# KiCad board EOutside.kicad_pcb (continued)
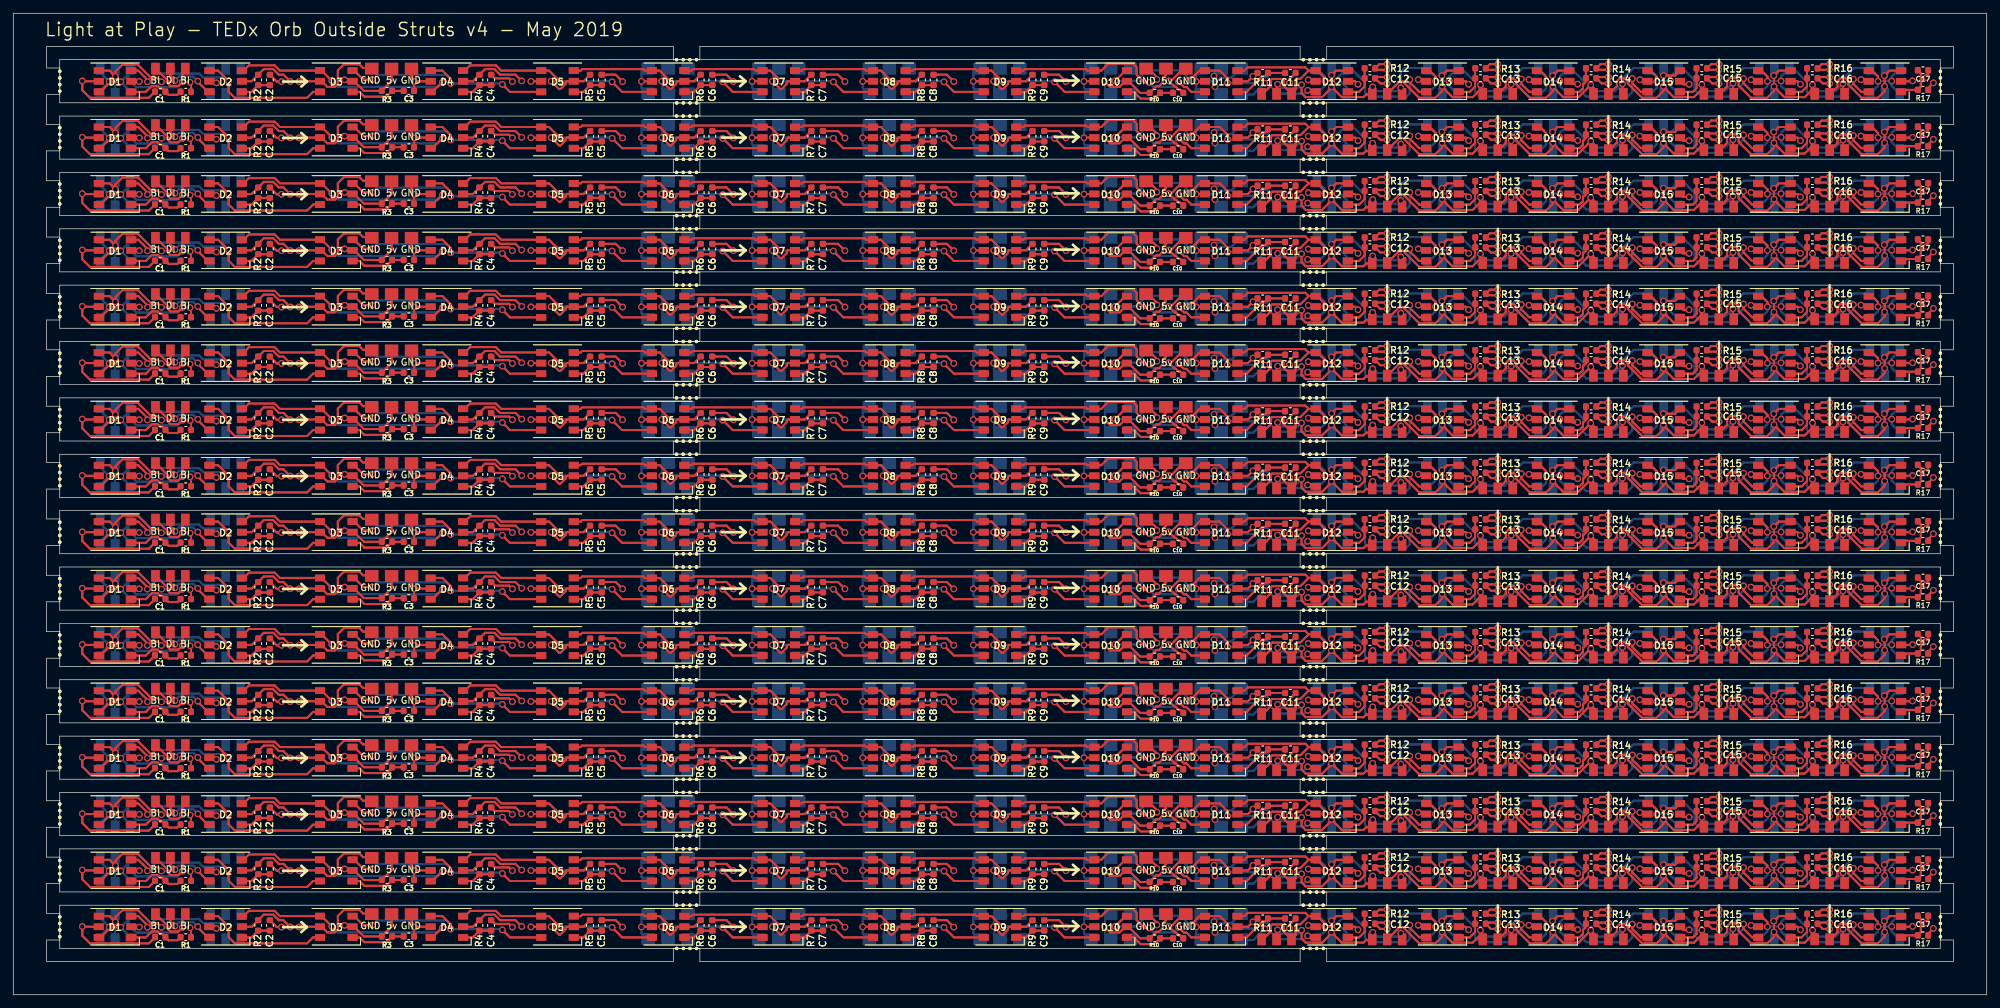
[diagram p0: board, top side]
## Placement (name value [footprint] x y rotation side) (continued)
J11#16  DAT_BRIDGE  [TEDX_DAT_BRIDGE]  240.33 100.5 180 top
J11#17  DAT_BRIDGE  [TEDX_DAT_BRIDGE]  240.33 58 180 top
J11#18  DAT_BRIDGE  [TEDX_DAT_BRIDGE]  240.33 49.5 180 top
J11#19  DAT_BRIDGE  [TEDX_DAT_BRIDGE]  240.33 58 180 top
J11#20  DAT_BRIDGE  [TEDX_DAT_BRIDGE]  240.33 49.5 180 top
J11#21  DAT_BRIDGE  [TEDX_DAT_BRIDGE]  240.33 66.5 180 top
J11#22  DAT_BRIDGE  [TEDX_DAT_BRIDGE]  240.33 41 180 top
J11#23  DAT_BRIDGE  [TEDX_DAT_BRIDGE]  240.33 41 180 top
J11#24  DAT_BRIDGE  [TEDX_DAT_BRIDGE]  240.33 66.5 180 top
J11#25  DAT_BRIDGE  [TEDX_DAT_BRIDGE]  240.33 7 180 top
J11#26  DAT_BRIDGE  [TEDX_DAT_BRIDGE]  240.33 24 180 top
J11#27  DAT_BRIDGE  [TEDX_DAT_BRIDGE]  240.33 15.5 180 top
J11#28  DAT_BRIDGE  [TEDX_DAT_BRIDGE]  240.33 24 180 top
J11#29  DAT_BRIDGE  [TEDX_DAT_BRIDGE]  240.33 15.5 180 top
J11#30  DAT_BRIDGE  [TEDX_DAT_BRIDGE]  240.33 32.5 180 top
J11#31  DAT_BRIDGE  [TEDX_DAT_BRIDGE]  240.33 7 180 top
J11#32  DAT_BRIDGE  [TEDX_DAT_BRIDGE]  240.33 32.5 180 top
J11#33  DAT_BRIDGE  [TEDX_DAT_BRIDGE]  248.67 141 180 bottom
J11#34  DAT_BRIDGE  [TEDX_DAT_BRIDGE]  248.67 134.5 0 bottom
J11#35  DAT_BRIDGE  [TEDX_DAT_BRIDGE]  248.67 126 0 bottom
J11#36  DAT_BRIDGE  [TEDX_DAT_BRIDGE]  248.67 132.5 180 bottom
J11#37  DAT_BRIDGE  [TEDX_DAT_BRIDGE]  248.67 117.5 0 bottom
J11#38  DAT_BRIDGE  [TEDX_DAT_BRIDGE]  248.67 124 180 bottom
J11#39  DAT_BRIDGE  [TEDX_DAT_BRIDGE]  248.67 115.5 180 bottom
J11#40  DAT_BRIDGE  [TEDX_DAT_BRIDGE]  248.67 109 0 bottom
J11#41  DAT_BRIDGE  [TEDX_DAT_BRIDGE]  248.67 117.5 0 bottom
J11#42  DAT_BRIDGE  [TEDX_DAT_BRIDGE]  248.67 124 180 bottom
J11#43  DAT_BRIDGE  [TEDX_DAT_BRIDGE]  248.67 115.5 180 bottom
J11#44  DAT_BRIDGE  [TEDX_DAT_BRIDGE]  248.67 109 0 bottom
J11#45  DAT_BRIDGE  [TEDX_DAT_BRIDGE]  248.67 134.5 0 bottom
J11#46  DAT_BRIDGE  [TEDX_DAT_BRIDGE]  248.67 141 180 bottom
J11#47  DAT_BRIDGE  [TEDX_DAT_BRIDGE]  248.67 132.5 180 bottom
J11#48  DAT_BRIDGE  [TEDX_DAT_BRIDGE]  248.67 126 0 bottom
J11#49  DAT_BRIDGE  [TEDX_DAT_BRIDGE]  248.67 83.5 0 bottom
J11#50  DAT_BRIDGE  [TEDX_DAT_BRIDGE]  248.67 90 180 bottom
J11#51  DAT_BRIDGE  [TEDX_DAT_BRIDGE]  248.67 81.5 180 bottom
J11#52  DAT_BRIDGE  [TEDX_DAT_BRIDGE]  248.67 75 0 bottom
J11#53  DAT_BRIDGE  [TEDX_DAT_BRIDGE]  248.67 100.5 0 bottom
J11#54  DAT_BRIDGE  [TEDX_DAT_BRIDGE]  248.67 107 180 bottom
J11#55  DAT_BRIDGE  [TEDX_DAT_BRIDGE]  248.67 98.5 180 bottom
J11#56  DAT_BRIDGE  [TEDX_DAT_BRIDGE]  248.67 100.5 0 bottom
J11#57  DAT_BRIDGE  [TEDX_DAT_BRIDGE]  248.67 98.5 180 bottom
J11#58  DAT_BRIDGE  [TEDX_DAT_BRIDGE]  248.67 92 0 bottom
J11#59  DAT_BRIDGE  [TEDX_DAT_BRIDGE]  248.67 92 0 bottom
J11#60  DAT_BRIDGE  [TEDX_DAT_BRIDGE]  248.67 107 180 bottom
J11#61  DAT_BRIDGE  [TEDX_DAT_BRIDGE]  248.67 81.5 180 bottom
J11#62  DAT_BRIDGE  [TEDX_DAT_BRIDGE]  248.67 75 0 bottom
J11#63  DAT_BRIDGE  [TEDX_DAT_BRIDGE]  248.67 90 180 bottom
J11#64  DAT_BRIDGE  [TEDX_DAT_BRIDGE]  248.67 83.5 0 bottom
J11#65  DAT_BRIDGE  [TEDX_DAT_BRIDGE]  248.67 64.5 180 bottom
J11#66  DAT_BRIDGE  [TEDX_DAT_BRIDGE]  248.67 66.5 0 bottom
J11#67  DAT_BRIDGE  [TEDX_DAT_BRIDGE]  248.67 64.5 180 bottom
J11#68  DAT_BRIDGE  [TEDX_DAT_BRIDGE]  248.67 58 0 bottom
J11#69  DAT_BRIDGE  [TEDX_DAT_BRIDGE]  248.67 41 0 bottom
J11#70  DAT_BRIDGE  [TEDX_DAT_BRIDGE]  248.67 56 180 bottom
J11#71  DAT_BRIDGE  [TEDX_DAT_BRIDGE]  248.67 49.5 0 bottom
J11#72  DAT_BRIDGE  [TEDX_DAT_BRIDGE]  248.67 47.5 180 bottom
J11#73  DAT_BRIDGE  [TEDX_DAT_BRIDGE]  248.67 73 180 bottom
J11#74  DAT_BRIDGE  [TEDX_DAT_BRIDGE]  248.67 41 0 bottom
J11#75  DAT_BRIDGE  [TEDX_DAT_BRIDGE]  248.67 56 180 bottom
J11#76  DAT_BRIDGE  [TEDX_DAT_BRIDGE]  248.67 58 0 bottom
J11#77  DAT_BRIDGE  [TEDX_DAT_BRIDGE]  248.67 66.5 0 bottom
J11#78  DAT_BRIDGE  [TEDX_DAT_BRIDGE]  248.67 49.5 0 bottom
J11#79  DAT_BRIDGE  [TEDX_DAT_BRIDGE]  248.67 47.5 180 bottom
J11#80  DAT_BRIDGE  [TEDX_DAT_BRIDGE]  248.67 73 180 bottom
J11#81  DAT_BRIDGE  [TEDX_DAT_BRIDGE]  248.67 32.5 0 bottom
J11#82  DAT_BRIDGE  [TEDX_DAT_BRIDGE]  248.67 15.5 0 bottom
J11#83  DAT_BRIDGE  [TEDX_DAT_BRIDGE]  248.67 15.5 0 bottom
J11#84  DAT_BRIDGE  [TEDX_DAT_BRIDGE]  248.67 13.5 180 bottom
J11#85  DAT_BRIDGE  [TEDX_DAT_BRIDGE]  248.67 30.5 180 bottom
J11#86  DAT_BRIDGE  [TEDX_DAT_BRIDGE]  248.67 32.5 0 bottom
J11#87  DAT_BRIDGE  [TEDX_DAT_BRIDGE]  248.67 30.5 180 bottom
J11#88  DAT_BRIDGE  [TEDX_DAT_BRIDGE]  248.67 39 180 bottom
J11#89  DAT_BRIDGE  [TEDX_DAT_BRIDGE]  248.67 39 180 bottom
J11#90  DAT_BRIDGE  [TEDX_DAT_BRIDGE]  248.67 7 0 bottom
J11#91  DAT_BRIDGE  [TEDX_DAT_BRIDGE]  248.67 22 180 bottom
J11#92  DAT_BRIDGE  [TEDX_DAT_BRIDGE]  248.67 24 0 bottom
J11#93  DAT_BRIDGE  [TEDX_DAT_BRIDGE]  248.67 7 0 bottom
J11#94  DAT_BRIDGE  [TEDX_DAT_BRIDGE]  248.67 13.5 180 bottom
J11#95  DAT_BRIDGE  [TEDX_DAT_BRIDGE]  248.67 24 0 bottom
J11#96  DAT_BRIDGE  [TEDX_DAT_BRIDGE]  248.67 22 180 bottom
J14  DAT_BRIDGE  [TEDX_DAT_BRIDGE]  256.98 134.5 180 top
J14#2  DAT_BRIDGE  [TEDX_DAT_BRIDGE]  256.98 126 180 top
J14#3  DAT_BRIDGE  [TEDX_DAT_BRIDGE]  256.98 117.5 180 top
J14#4  DAT_BRIDGE  [TEDX_DAT_BRIDGE]  256.98 109 180 top
J14#5  DAT_BRIDGE  [TEDX_DAT_BRIDGE]  256.98 117.5 180 top
J14#6  DAT_BRIDGE  [TEDX_DAT_BRIDGE]  256.98 109 180 top
J14#7  DAT_BRIDGE  [TEDX_DAT_BRIDGE]  256.98 134.5 180 top
J14#8  DAT_BRIDGE  [TEDX_DAT_BRIDGE]  256.98 126 180 top
J14#9  DAT_BRIDGE  [TEDX_DAT_BRIDGE]  256.98 83.5 180 top
J14#10  DAT_BRIDGE  [TEDX_DAT_BRIDGE]  256.98 75 180 top
J14#11  DAT_BRIDGE  [TEDX_DAT_BRIDGE]  256.98 100.5 180 top
J14#12  DAT_BRIDGE  [TEDX_DAT_BRIDGE]  256.98 75 180 top
J14#13  DAT_BRIDGE  [TEDX_DAT_BRIDGE]  256.98 92 180 top
J14#14  DAT_BRIDGE  [TEDX_DAT_BRIDGE]  256.98 92 180 top
J14#15  DAT_BRIDGE  [TEDX_DAT_BRIDGE]  256.98 100.5 180 top
J14#16  DAT_BRIDGE  [TEDX_DAT_BRIDGE]  256.98 83.5 180 top
J14#17  DAT_BRIDGE  [TEDX_DAT_BRIDGE]  256.98 58 180 top
J14#18  DAT_BRIDGE  [TEDX_DAT_BRIDGE]  256.98 41 180 top
J14#19  DAT_BRIDGE  [TEDX_DAT_BRIDGE]  256.98 49.5 180 top
J14#20  DAT_BRIDGE  [TEDX_DAT_BRIDGE]  256.98 58 180 top
J14#21  DAT_BRIDGE  [TEDX_DAT_BRIDGE]  256.98 66.5 180 top
J14#22  DAT_BRIDGE  [TEDX_DAT_BRIDGE]  256.98 41 180 top
J14#23  DAT_BRIDGE  [TEDX_DAT_BRIDGE]  256.98 49.5 180 top
J14#24  DAT_BRIDGE  [TEDX_DAT_BRIDGE]  256.98 66.5 180 top
J14#25  DAT_BRIDGE  [TEDX_DAT_BRIDGE]  256.98 7 180 top
J14#26  DAT_BRIDGE  [TEDX_DAT_BRIDGE]  256.98 24 180 top
J14#27  DAT_BRIDGE  [TEDX_DAT_BRIDGE]  256.98 15.5 180 top
J14#28  DAT_BRIDGE  [TEDX_DAT_BRIDGE]  256.98 24 180 top
J14#29  DAT_BRIDGE  [TEDX_DAT_BRIDGE]  256.98 7 180 top
J14#30  DAT_BRIDGE  [TEDX_DAT_BRIDGE]  256.98 15.5 180 top
J14#31  DAT_BRIDGE  [TEDX_DAT_BRIDGE]  256.98 32.5 180 top
J14#32  DAT_BRIDGE  [TEDX_DAT_BRIDGE]  256.98 32.5 180 top
J14#33  DAT_BRIDGE  [TEDX_DAT_BRIDGE]  265.33 134.5 0 bottom
J14#34  DAT_BRIDGE  [TEDX_DAT_BRIDGE]  265.33 141 180 bottom
J14#35  DAT_BRIDGE  [TEDX_DAT_BRIDGE]  265.33 132.5 180 bottom
J14#36  DAT_BRIDGE  [TEDX_DAT_BRIDGE]  265.33 126 0 bottom
J14#37  DAT_BRIDGE  [TEDX_DAT_BRIDGE]  265.33 124 180 bottom
J14#38  DAT_BRIDGE  [TEDX_DAT_BRIDGE]  265.33 117.5 0 bottom
J14#39  DAT_BRIDGE  [TEDX_DAT_BRIDGE]  265.33 109 0 bottom
J14#40  DAT_BRIDGE  [TEDX_DAT_BRIDGE]  265.33 115.5 180 bottom
J14#41  DAT_BRIDGE  [TEDX_DAT_BRIDGE]  265.33 124 180 bottom
J14#42  DAT_BRIDGE  [TEDX_DAT_BRIDGE]  265.33 117.5 0 bottom
J14#43  DAT_BRIDGE  [TEDX_DAT_BRIDGE]  265.33 109 0 bottom
J14#44  DAT_BRIDGE  [TEDX_DAT_BRIDGE]  265.33 115.5 180 bottom
J14#45  DAT_BRIDGE  [TEDX_DAT_BRIDGE]  265.33 141 180 bottom
J14#46  DAT_BRIDGE  [TEDX_DAT_BRIDGE]  265.33 134.5 0 bottom
J14#47  DAT_BRIDGE  [TEDX_DAT_BRIDGE]  265.33 126 0 bottom
J14#48  DAT_BRIDGE  [TEDX_DAT_BRIDGE]  265.33 132.5 180 bottom
J14#49  DAT_BRIDGE  [TEDX_DAT_BRIDGE]  265.33 90 180 bottom
J14#50  DAT_BRIDGE  [TEDX_DAT_BRIDGE]  265.33 83.5 0 bottom
J14#51  DAT_BRIDGE  [TEDX_DAT_BRIDGE]  265.33 75 0 bottom
J14#52  DAT_BRIDGE  [TEDX_DAT_BRIDGE]  265.33 81.5 180 bottom
J14#53  DAT_BRIDGE  [TEDX_DAT_BRIDGE]  265.33 107 180 bottom
J14#54  DAT_BRIDGE  [TEDX_DAT_BRIDGE]  265.33 100.5 0 bottom
J14#55  DAT_BRIDGE  [TEDX_DAT_BRIDGE]  265.33 75 0 bottom
J14#56  DAT_BRIDGE  [TEDX_DAT_BRIDGE]  265.33 81.5 180 bottom
J14#57  DAT_BRIDGE  [TEDX_DAT_BRIDGE]  265.33 92 0 bottom
J14#58  DAT_BRIDGE  [TEDX_DAT_BRIDGE]  265.33 92 0 bottom
J14#59  DAT_BRIDGE  [TEDX_DAT_BRIDGE]  265.33 100.5 0 bottom
J14#60  DAT_BRIDGE  [TEDX_DAT_BRIDGE]  265.33 107 180 bottom
J14#61  DAT_BRIDGE  [TEDX_DAT_BRIDGE]  265.33 98.5 180 bottom
J14#62  DAT_BRIDGE  [TEDX_DAT_BRIDGE]  265.33 98.5 180 bottom
J14#63  DAT_BRIDGE  [TEDX_DAT_BRIDGE]  265.33 90 180 bottom
J14#64  DAT_BRIDGE  [TEDX_DAT_BRIDGE]  265.33 83.5 0 bottom
J14#65  DAT_BRIDGE  [TEDX_DAT_BRIDGE]  265.33 41 0 bottom
J14#66  DAT_BRIDGE  [TEDX_DAT_BRIDGE]  265.33 58 0 bottom
J14#67  DAT_BRIDGE  [TEDX_DAT_BRIDGE]  265.33 41 0 bottom
J14#68  DAT_BRIDGE  [TEDX_DAT_BRIDGE]  265.33 47.5 180 bottom
J14#69  DAT_BRIDGE  [TEDX_DAT_BRIDGE]  265.33 58 0 bottom
J14#70  DAT_BRIDGE  [TEDX_DAT_BRIDGE]  265.33 49.5 0 bottom
J14#71  DAT_BRIDGE  [TEDX_DAT_BRIDGE]  265.33 56 180 bottom
J14#72  DAT_BRIDGE  [TEDX_DAT_BRIDGE]  265.33 47.5 180 bottom
J14#73  DAT_BRIDGE  [TEDX_DAT_BRIDGE]  265.33 66.5 0 bottom
J14#74  DAT_BRIDGE  [TEDX_DAT_BRIDGE]  265.33 56 180 bottom
J14#75  DAT_BRIDGE  [TEDX_DAT_BRIDGE]  265.33 49.5 0 bottom
J14#76  DAT_BRIDGE  [TEDX_DAT_BRIDGE]  265.33 64.5 180 bottom
J14#77  DAT_BRIDGE  [TEDX_DAT_BRIDGE]  265.33 66.5 0 bottom
J14#78  DAT_BRIDGE  [TEDX_DAT_BRIDGE]  265.33 73 180 bottom
J14#79  DAT_BRIDGE  [TEDX_DAT_BRIDGE]  265.33 73 180 bottom
J14#80  DAT_BRIDGE  [TEDX_DAT_BRIDGE]  265.33 64.5 180 bottom
J14#81  DAT_BRIDGE  [TEDX_DAT_BRIDGE]  265.33 22 180 bottom
J14#82  DAT_BRIDGE  [TEDX_DAT_BRIDGE]  265.33 13.5 180 bottom
J14#83  DAT_BRIDGE  [TEDX_DAT_BRIDGE]  265.33 7 0 bottom
J14#84  DAT_BRIDGE  [TEDX_DAT_BRIDGE]  265.33 13.5 180 bottom
J14#85  DAT_BRIDGE  [TEDX_DAT_BRIDGE]  265.33 32.5 0 bottom
J14#86  DAT_BRIDGE  [TEDX_DAT_BRIDGE]  265.33 39 180 bottom
J14#87  DAT_BRIDGE  [TEDX_DAT_BRIDGE]  265.33 39 180 bottom
J14#88  DAT_BRIDGE  [TEDX_DAT_BRIDGE]  265.33 30.5 180 bottom
J14#89  DAT_BRIDGE  [TEDX_DAT_BRIDGE]  265.33 24 0 bottom
J14#90  DAT_BRIDGE  [TEDX_DAT_BRIDGE]  265.33 15.5 0 bottom
J14#91  DAT_BRIDGE  [TEDX_DAT_BRIDGE]  265.33 7 0 bottom
J14#92  DAT_BRIDGE  [TEDX_DAT_BRIDGE]  265.33 32.5 0 bottom
J14#93  DAT_BRIDGE  [TEDX_DAT_BRIDGE]  265.33 15.5 0 bottom
J14#94  DAT_BRIDGE  [TEDX_DAT_BRIDGE]  265.33 24 0 bottom
J14#95  DAT_BRIDGE  [TEDX_DAT_BRIDGE]  265.33 22 180 bottom
J14#96  DAT_BRIDGE  [TEDX_DAT_BRIDGE]  265.33 30.5 180 bottom
J15  DAT_BRIDGE  [TEDX_DAT_BRIDGE]  273.67 134.5 180 top
J15#2  DAT_BRIDGE  [TEDX_DAT_BRIDGE]  273.67 126 180 top
J15#3  DAT_BRIDGE  [TEDX_DAT_BRIDGE]  273.67 117.5 180 top
J15#4  DAT_BRIDGE  [TEDX_DAT_BRIDGE]  273.67 109 180 top
J15#5  DAT_BRIDGE  [TEDX_DAT_BRIDGE]  273.67 117.5 180 top
J15#6  DAT_BRIDGE  [TEDX_DAT_BRIDGE]  273.67 109 180 top
J15#7  DAT_BRIDGE  [TEDX_DAT_BRIDGE]  273.67 134.5 180 top
J15#8  DAT_BRIDGE  [TEDX_DAT_BRIDGE]  273.67 126 180 top
J15#9  DAT_BRIDGE  [TEDX_DAT_BRIDGE]  273.67 83.5 180 top
J15#10  DAT_BRIDGE  [TEDX_DAT_BRIDGE]  273.67 83.5 180 top
J15#11  DAT_BRIDGE  [TEDX_DAT_BRIDGE]  273.67 75 180 top
J15#12  DAT_BRIDGE  [TEDX_DAT_BRIDGE]  273.67 100.5 180 top
J15#13  DAT_BRIDGE  [TEDX_DAT_BRIDGE]  273.67 100.5 180 top
J15#14  DAT_BRIDGE  [TEDX_DAT_BRIDGE]  273.67 92 180 top
J15#15  DAT_BRIDGE  [TEDX_DAT_BRIDGE]  273.67 75 180 top
J15#16  DAT_BRIDGE  [TEDX_DAT_BRIDGE]  273.67 92 180 top
J15#17  DAT_BRIDGE  [TEDX_DAT_BRIDGE]  273.67 49.5 180 top
J15#18  DAT_BRIDGE  [TEDX_DAT_BRIDGE]  273.67 41 180 top
J15#19  DAT_BRIDGE  [TEDX_DAT_BRIDGE]  273.67 66.5 180 top
J15#20  DAT_BRIDGE  [TEDX_DAT_BRIDGE]  273.67 58 180 top
J15#21  DAT_BRIDGE  [TEDX_DAT_BRIDGE]  273.67 66.5 180 top
J15#22  DAT_BRIDGE  [TEDX_DAT_BRIDGE]  273.67 58 180 top
J15#23  DAT_BRIDGE  [TEDX_DAT_BRIDGE]  273.67 41 180 top
J15#24  DAT_BRIDGE  [TEDX_DAT_BRIDGE]  273.67 49.5 180 top
J15#25  DAT_BRIDGE  [TEDX_DAT_BRIDGE]  273.67 24 180 top
J15#26  DAT_BRIDGE  [TEDX_DAT_BRIDGE]  273.67 7 180 top
J15#27  DAT_BRIDGE  [TEDX_DAT_BRIDGE]  273.67 7 180 top
J15#28  DAT_BRIDGE  [TEDX_DAT_BRIDGE]  273.67 15.5 180 top
J15#29  DAT_BRIDGE  [TEDX_DAT_BRIDGE]  273.67 32.5 180 top
J15#30  DAT_BRIDGE  [TEDX_DAT_BRIDGE]  273.67 15.5 180 top
J15#31  DAT_BRIDGE  [TEDX_DAT_BRIDGE]  273.67 24 180 top
J15#32  DAT_BRIDGE  [TEDX_DAT_BRIDGE]  273.67 32.5 180 top
J15#33  DAT_BRIDGE  [TEDX_DAT_BRIDGE]  282 134.5 0 bottom
J15#34  DAT_BRIDGE  [TEDX_DAT_BRIDGE]  282 141 180 bottom
J15#35  DAT_BRIDGE  [TEDX_DAT_BRIDGE]  282 132.5 180 bottom
J15#36  DAT_BRIDGE  [TEDX_DAT_BRIDGE]  282 126 0 bottom
J15#37  DAT_BRIDGE  [TEDX_DAT_BRIDGE]  282 124 180 bottom
J15#38  DAT_BRIDGE  [TEDX_DAT_BRIDGE]  282 115.5 180 bottom
J15#39  DAT_BRIDGE  [TEDX_DAT_BRIDGE]  282 109 0 bottom
J15#40  DAT_BRIDGE  [TEDX_DAT_BRIDGE]  282 117.5 0 bottom
J15#41  DAT_BRIDGE  [TEDX_DAT_BRIDGE]  282 124 180 bottom
J15#42  DAT_BRIDGE  [TEDX_DAT_BRIDGE]  282 115.5 180 bottom
J15#43  DAT_BRIDGE  [TEDX_DAT_BRIDGE]  282 117.5 0 bottom
J15#44  DAT_BRIDGE  [TEDX_DAT_BRIDGE]  282 109 0 bottom
J15#45  DAT_BRIDGE  [TEDX_DAT_BRIDGE]  282 141 180 bottom
J15#46  DAT_BRIDGE  [TEDX_DAT_BRIDGE]  282 132.5 180 bottom
J15#47  DAT_BRIDGE  [TEDX_DAT_BRIDGE]  282 126 0 bottom
J15#48  DAT_BRIDGE  [TEDX_DAT_BRIDGE]  282 134.5 0 bottom
J15#49  DAT_BRIDGE  [TEDX_DAT_BRIDGE]  282 90 180 bottom
J15#50  DAT_BRIDGE  [TEDX_DAT_BRIDGE]  282 81.5 180 bottom
J15#51  DAT_BRIDGE  [TEDX_DAT_BRIDGE]  282 83.5 0 bottom
J15#52  DAT_BRIDGE  [TEDX_DAT_BRIDGE]  282 75 0 bottom
J15#53  DAT_BRIDGE  [TEDX_DAT_BRIDGE]  282 107 180 bottom
J15#54  DAT_BRIDGE  [TEDX_DAT_BRIDGE]  282 107 180 bottom
J15#55  DAT_BRIDGE  [TEDX_DAT_BRIDGE]  282 81.5 180 bottom
J15#56  DAT_BRIDGE  [TEDX_DAT_BRIDGE]  282 75 0 bottom
J15#57  DAT_BRIDGE  [TEDX_DAT_BRIDGE]  282 98.5 180 bottom
J15#58  DAT_BRIDGE  [TEDX_DAT_BRIDGE]  282 98.5 180 bottom
J15#59  DAT_BRIDGE  [TEDX_DAT_BRIDGE]  282 90 180 bottom
J15#60  DAT_BRIDGE  [TEDX_DAT_BRIDGE]  282 92 0 bottom
J15#61  DAT_BRIDGE  [TEDX_DAT_BRIDGE]  282 100.5 0 bottom
J15#62  DAT_BRIDGE  [TEDX_DAT_BRIDGE]  282 83.5 0 bottom
J15#63  DAT_BRIDGE  [TEDX_DAT_BRIDGE]  282 92 0 bottom
J15#64  DAT_BRIDGE  [TEDX_DAT_BRIDGE]  282 100.5 0 bottom
J15#65  DAT_BRIDGE  [TEDX_DAT_BRIDGE]  282 64.5 180 bottom
J15#66  DAT_BRIDGE  [TEDX_DAT_BRIDGE]  282 73 180 bottom
J15#67  DAT_BRIDGE  [TEDX_DAT_BRIDGE]  282 41 0 bottom
J15#68  DAT_BRIDGE  [TEDX_DAT_BRIDGE]  282 49.5 0 bottom
J15#69  DAT_BRIDGE  [TEDX_DAT_BRIDGE]  282 56 180 bottom
J15#70  DAT_BRIDGE  [TEDX_DAT_BRIDGE]  282 56 180 bottom
J15#71  DAT_BRIDGE  [TEDX_DAT_BRIDGE]  282 64.5 180 bottom
J15#72  DAT_BRIDGE  [TEDX_DAT_BRIDGE]  282 58 0 bottom
J15#73  DAT_BRIDGE  [TEDX_DAT_BRIDGE]  282 58 0 bottom
J15#74  DAT_BRIDGE  [TEDX_DAT_BRIDGE]  282 66.5 0 bottom
J15#75  DAT_BRIDGE  [TEDX_DAT_BRIDGE]  282 73 180 bottom
J15#76  DAT_BRIDGE  [TEDX_DAT_BRIDGE]  282 47.5 180 bottom
J15#77  DAT_BRIDGE  [TEDX_DAT_BRIDGE]  282 66.5 0 bottom
J15#78  DAT_BRIDGE  [TEDX_DAT_BRIDGE]  282 47.5 180 bottom
J15#79  DAT_BRIDGE  [TEDX_DAT_BRIDGE]  282 41 0 bottom
J15#80  DAT_BRIDGE  [TEDX_DAT_BRIDGE]  282 49.5 0 bottom
J15#81  DAT_BRIDGE  [TEDX_DAT_BRIDGE]  282 39 180 bottom
J15#82  DAT_BRIDGE  [TEDX_DAT_BRIDGE]  282 22 180 bottom
J15#83  DAT_BRIDGE  [TEDX_DAT_BRIDGE]  282 22 180 bottom
J15#84  DAT_BRIDGE  [TEDX_DAT_BRIDGE]  282 39 180 bottom
J15#85  DAT_BRIDGE  [TEDX_DAT_BRIDGE]  282 7 0 bottom
J15#86  DAT_BRIDGE  [TEDX_DAT_BRIDGE]  282 30.5 180 bottom
J15#87  DAT_BRIDGE  [TEDX_DAT_BRIDGE]  282 24 0 bottom
J15#88  DAT_BRIDGE  [TEDX_DAT_BRIDGE]  282 7 0 bottom
J15#89  DAT_BRIDGE  [TEDX_DAT_BRIDGE]  282 15.5 0 bottom
J15#90  DAT_BRIDGE  [TEDX_DAT_BRIDGE]  282 15.5 0 bottom
J15#91  DAT_BRIDGE  [TEDX_DAT_BRIDGE]  282 30.5 180 bottom
J15#92  DAT_BRIDGE  [TEDX_DAT_BRIDGE]  282 24 0 bottom
J15#93  DAT_BRIDGE  [TEDX_DAT_BRIDGE]  282 13.5 180 bottom
J15#94  DAT_BRIDGE  [TEDX_DAT_BRIDGE]  282 32.5 0 bottom
J15#95  DAT_BRIDGE  [TEDX_DAT_BRIDGE]  282 13.5 180 bottom
J15#96  DAT_BRIDGE  [TEDX_DAT_BRIDGE]  282 32.5 0 bottom
R1  330  [R_0603_1608Metric]  25.99 136.17 180 top
R1#2  330  [R_0603_1608Metric]  25.99 127.67 180 top
R1#3  330  [R_0603_1608Metric]  25.99 119.17 180 top
R1#4  330  [R_0603_1608Metric]  25.99 110.67 180 top
R1#5  330  [R_0603_1608Metric]  25.99 119.17 180 top
R1#6  330  [R_0603_1608Metric]  25.99 136.17 180 top
R1#7  330  [R_0603_1608Metric]  25.99 127.67 180 top
R1#8  330  [R_0603_1608Metric]  25.99 110.67 180 top
R1#9  330  [R_0603_1608Metric]  25.99 85.17 180 top
R1#10  330  [R_0603_1608Metric]  25.99 85.17 180 top
R1#11  330  [R_0603_1608Metric]  25.99 102.17 180 top
R1#12  330  [R_0603_1608Metric]  25.99 102.17 180 top
R1#13  330  [R_0603_1608Metric]  25.99 76.67 180 top
R1#14  330  [R_0603_1608Metric]  25.99 93.67 180 top
R1#15  330  [R_0603_1608Metric]  25.99 76.67 180 top
R1#16  330  [R_0603_1608Metric]  25.99 93.67 180 top
R1#17  330  [R_0603_1608Metric]  25.99 68.17 180 top
R1#18  330  [R_0603_1608Metric]  25.99 68.17 180 top
R1#19  330  [R_0603_1608Metric]  25.99 51.17 180 top
R1#20  330  [R_0603_1608Metric]  25.99 59.67 180 top
R1#21  330  [R_0603_1608Metric]  25.99 42.67 180 top
R1#22  330  [R_0603_1608Metric]  25.99 42.67 180 top
R1#23  330  [R_0603_1608Metric]  25.99 51.17 180 top
R1#24  330  [R_0603_1608Metric]  25.99 59.67 180 top
R1#25  330  [R_0603_1608Metric]  25.99 25.67 180 top
R1#26  330  [R_0603_1608Metric]  25.99 17.17 180 top
R1#27  330  [R_0603_1608Metric]  25.99 34.17 180 top
R1#28  330  [R_0603_1608Metric]  25.99 34.17 180 top
R1#29  330  [R_0603_1608Metric]  25.99 8.67 180 top
R1#30  330  [R_0603_1608Metric]  25.99 8.67 180 top
R1#31  330  [R_0603_1608Metric]  25.99 25.67 180 top
R1#32  330  [R_0603_1608Metric]  25.99 17.17 180 top
R2  330  [R_0603_1608Metric]  36.9 137.95 270 top
R2#2  330  [R_0603_1608Metric]  36.9 129.45 270 top
R2#3  330  [R_0603_1608Metric]  36.9 120.95 270 top
R2#4  330  [R_0603_1608Metric]  36.9 112.45 270 top
R2#5  330  [R_0603_1608Metric]  36.9 120.95 270 top
R2#6  330  [R_0603_1608Metric]  36.9 137.95 270 top
R2#7  330  [R_0603_1608Metric]  36.9 112.45 270 top
R2#8  330  [R_0603_1608Metric]  36.9 129.45 270 top
R2#9  330  [R_0603_1608Metric]  36.9 86.95 270 top
R2#10  330  [R_0603_1608Metric]  36.9 86.95 270 top
R2#11  330  [R_0603_1608Metric]  36.9 103.95 270 top
R2#12  330  [R_0603_1608Metric]  36.9 78.45 270 top
R2#13  330  [R_0603_1608Metric]  36.9 103.95 270 top
R2#14  330  [R_0603_1608Metric]  36.9 95.45 270 top
R2#15  330  [R_0603_1608Metric]  36.9 78.45 270 top
R2#16  330  [R_0603_1608Metric]  36.9 95.45 270 top
R2#17  330  [R_0603_1608Metric]  36.9 69.95 270 top
R2#18  330  [R_0603_1608Metric]  36.9 69.95 270 top
R2#19  330  [R_0603_1608Metric]  36.9 52.95 270 top
R2#20  330  [R_0603_1608Metric]  36.9 61.45 270 top
R2#21  330  [R_0603_1608Metric]  36.9 44.45 270 top
R2#22  330  [R_0603_1608Metric]  36.9 44.45 270 top
R2#23  330  [R_0603_1608Metric]  36.9 52.95 270 top
R2#24  330  [R_0603_1608Metric]  36.9 61.45 270 top
R2#25  330  [R_0603_1608Metric]  36.9 10.45 270 top
R2#26  330  [R_0603_1608Metric]  36.9 27.45 270 top
R2#27  330  [R_0603_1608Metric]  36.9 18.95 270 top
R2#28  330  [R_0603_1608Metric]  36.9 35.95 270 top
R2#29  330  [R_0603_1608Metric]  36.9 35.95 270 top
R2#30  330  [R_0603_1608Metric]  36.9 10.45 270 top
R2#31  330  [R_0603_1608Metric]  36.9 27.45 270 top
R2#32  330  [R_0603_1608Metric]  36.9 18.95 270 top
R3  330  [R_0603_1608Metric]  56.3 136.3 0 top
R3#2  330  [R_0603_1608Metric]  56.3 127.8 0 top
R3#3  330  [R_0603_1608Metric]  56.3 119.3 0 top
R3#4  330  [R_0603_1608Metric]  56.3 110.8 0 top
R3#5  330  [R_0603_1608Metric]  56.3 119.3 0 top
R3#6  330  [R_0603_1608Metric]  56.3 110.8 0 top
R3#7  330  [R_0603_1608Metric]  56.3 136.3 0 top
R3#8  330  [R_0603_1608Metric]  56.3 127.8 0 top
R3#9  330  [R_0603_1608Metric]  56.3 85.3 0 top
R3#10  330  [R_0603_1608Metric]  56.3 76.8 0 top
R3#11  330  [R_0603_1608Metric]  56.3 76.8 0 top
R3#12  330  [R_0603_1608Metric]  56.3 85.3 0 top
R3#13  330  [R_0603_1608Metric]  56.3 102.3 0 top
R3#14  330  [R_0603_1608Metric]  56.3 102.3 0 top
R3#15  330  [R_0603_1608Metric]  56.3 93.8 0 top
R3#16  330  [R_0603_1608Metric]  56.3 93.8 0 top
R3#17  330  [R_0603_1608Metric]  56.3 68.3 0 top
R3#18  330  [R_0603_1608Metric]  56.3 42.8 0 top
R3#19  330  [R_0603_1608Metric]  56.3 51.3 0 top
R3#20  330  [R_0603_1608Metric]  56.3 68.3 0 top
R3#21  330  [R_0603_1608Metric]  56.3 42.8 0 top
R3#22  330  [R_0603_1608Metric]  56.3 59.8 0 top
R3#23  330  [R_0603_1608Metric]  56.3 51.3 0 top
R3#24  330  [R_0603_1608Metric]  56.3 59.8 0 top
R3#25  330  [R_0603_1608Metric]  56.3 34.3 0 top
R3#26  330  [R_0603_1608Metric]  56.3 8.8 0 top
R3#27  330  [R_0603_1608Metric]  56.3 17.3 0 top
R3#28  330  [R_0603_1608Metric]  56.3 25.8 0 top
R3#29  330  [R_0603_1608Metric]  56.3 8.8 0 top
R3#30  330  [R_0603_1608Metric]  56.3 34.3 0 top
R3#31  330  [R_0603_1608Metric]  56.3 25.8 0 top
R3#32  330  [R_0603_1608Metric]  56.3 17.3 0 top
R4  330  [R_0603_1608Metric]  70.23 137.95 270 top
R4#2  330  [R_0603_1608Metric]  70.23 129.45 270 top
R4#3  330  [R_0603_1608Metric]  70.23 120.95 270 top
R4#4  330  [R_0603_1608Metric]  70.23 112.45 270 top
R4#5  330  [R_0603_1608Metric]  70.23 120.95 270 top
R4#6  330  [R_0603_1608Metric]  70.23 112.45 270 top
R4#7  330  [R_0603_1608Metric]  70.23 137.95 270 top
R4#8  330  [R_0603_1608Metric]  70.23 129.45 270 top
R4#9  330  [R_0603_1608Metric]  70.23 86.95 270 top
R4#10  330  [R_0603_1608Metric]  70.23 78.45 270 top
R4#11  330  [R_0603_1608Metric]  70.23 86.95 270 top
R4#12  330  [R_0603_1608Metric]  70.23 103.95 270 top
R4#13  330  [R_0603_1608Metric]  70.23 103.95 270 top
R4#14  330  [R_0603_1608Metric]  70.23 78.45 270 top
R4#15  330  [R_0603_1608Metric]  70.23 95.45 270 top
R4#16  330  [R_0603_1608Metric]  70.23 95.45 270 top
R4#17  330  [R_0603_1608Metric]  70.23 52.95 270 top
R4#18  330  [R_0603_1608Metric]  70.23 52.95 270 top
R4#19  330  [R_0603_1608Metric]  70.23 69.95 270 top
R4#20  330  [R_0603_1608Metric]  70.23 69.95 270 top
R4#21  330  [R_0603_1608Metric]  70.23 44.45 270 top
R4#22  330  [R_0603_1608Metric]  70.23 61.45 270 top
R4#23  330  [R_0603_1608Metric]  70.23 44.45 270 top
R4#24  330  [R_0603_1608Metric]  70.23 61.45 270 top
R4#25  330  [R_0603_1608Metric]  70.23 35.95 270 top
R4#26  330  [R_0603_1608Metric]  70.23 18.95 270 top
R4#27  330  [R_0603_1608Metric]  70.23 27.45 270 top
R4#28  330  [R_0603_1608Metric]  70.23 10.45 270 top
R4#29  330  [R_0603_1608Metric]  70.23 35.95 270 top
R4#30  330  [R_0603_1608Metric]  70.23 18.95 270 top
R4#31  330  [R_0603_1608Metric]  70.23 27.45 270 top
R4#32  330  [R_0603_1608Metric]  70.23 10.45 270 top
R5  330  [R_0603_1608Metric]  86.9 137.95 270 top
R5#2  330  [R_0603_1608Metric]  86.9 129.45 270 top
R5#3  330  [R_0603_1608Metric]  86.9 120.95 270 top
R5#4  330  [R_0603_1608Metric]  86.9 112.45 270 top
R5#5  330  [R_0603_1608Metric]  86.9 120.95 270 top
R5#6  330  [R_0603_1608Metric]  86.9 112.45 270 top
R5#7  330  [R_0603_1608Metric]  86.9 137.95 270 top
R5#8  330  [R_0603_1608Metric]  86.9 129.45 270 top
R5#9  330  [R_0603_1608Metric]  86.9 86.95 270 top
R5#10  330  [R_0603_1608Metric]  86.9 78.45 270 top
R5#11  330  [R_0603_1608Metric]  86.9 86.95 270 top
R5#12  330  [R_0603_1608Metric]  86.9 103.95 270 top
R5#13  330  [R_0603_1608Metric]  86.9 103.95 270 top
R5#14  330  [R_0603_1608Metric]  86.9 78.45 270 top
R5#15  330  [R_0603_1608Metric]  86.9 95.45 270 top
R5#16  330  [R_0603_1608Metric]  86.9 95.45 270 top
R5#17  330  [R_0603_1608Metric]  86.9 52.95 270 top
R5#18  330  [R_0603_1608Metric]  86.9 69.95 270 top
R5#19  330  [R_0603_1608Metric]  86.9 44.45 270 top
R5#20  330  [R_0603_1608Metric]  86.9 69.95 270 top
R5#21  330  [R_0603_1608Metric]  86.9 61.45 270 top
R5#22  330  [R_0603_1608Metric]  86.9 44.45 270 top
R5#23  330  [R_0603_1608Metric]  86.9 52.95 270 top
R5#24  330  [R_0603_1608Metric]  86.9 61.45 270 top
R5#25  330  [R_0603_1608Metric]  86.9 10.45 270 top
R5#26  330  [R_0603_1608Metric]  86.9 35.95 270 top
R5#27  330  [R_0603_1608Metric]  86.9 18.95 270 top
R5#28  330  [R_0603_1608Metric]  86.9 18.95 270 top
R5#29  330  [R_0603_1608Metric]  86.9 27.45 270 top
R5#30  330  [R_0603_1608Metric]  86.9 35.95 270 top
R5#31  330  [R_0603_1608Metric]  86.9 10.45 270 top
R5#32  330  [R_0603_1608Metric]  86.9 27.45 270 top
R6  330  [R_0603_1608Metric]  103.57 137.95 270 top
R6#2  330  [R_0603_1608Metric]  103.57 129.45 270 top
R6#3  330  [R_0603_1608Metric]  103.57 120.95 270 top
R6#4  330  [R_0603_1608Metric]  103.57 112.45 270 top
R6#5  330  [R_0603_1608Metric]  103.57 120.95 270 top
R6#6  330  [R_0603_1608Metric]  103.57 112.45 270 top
R6#7  330  [R_0603_1608Metric]  103.57 137.95 270 top
R6#8  330  [R_0603_1608Metric]  103.57 129.45 270 top
R6#9  330  [R_0603_1608Metric]  103.57 86.95 270 top
R6#10  330  [R_0603_1608Metric]  103.57 78.45 270 top
R6#11  330  [R_0603_1608Metric]  103.57 86.95 270 top
